# Altium PCB TMS320F28379D_Interfaz_.PcbDoc (part 4 of 5) (continued)
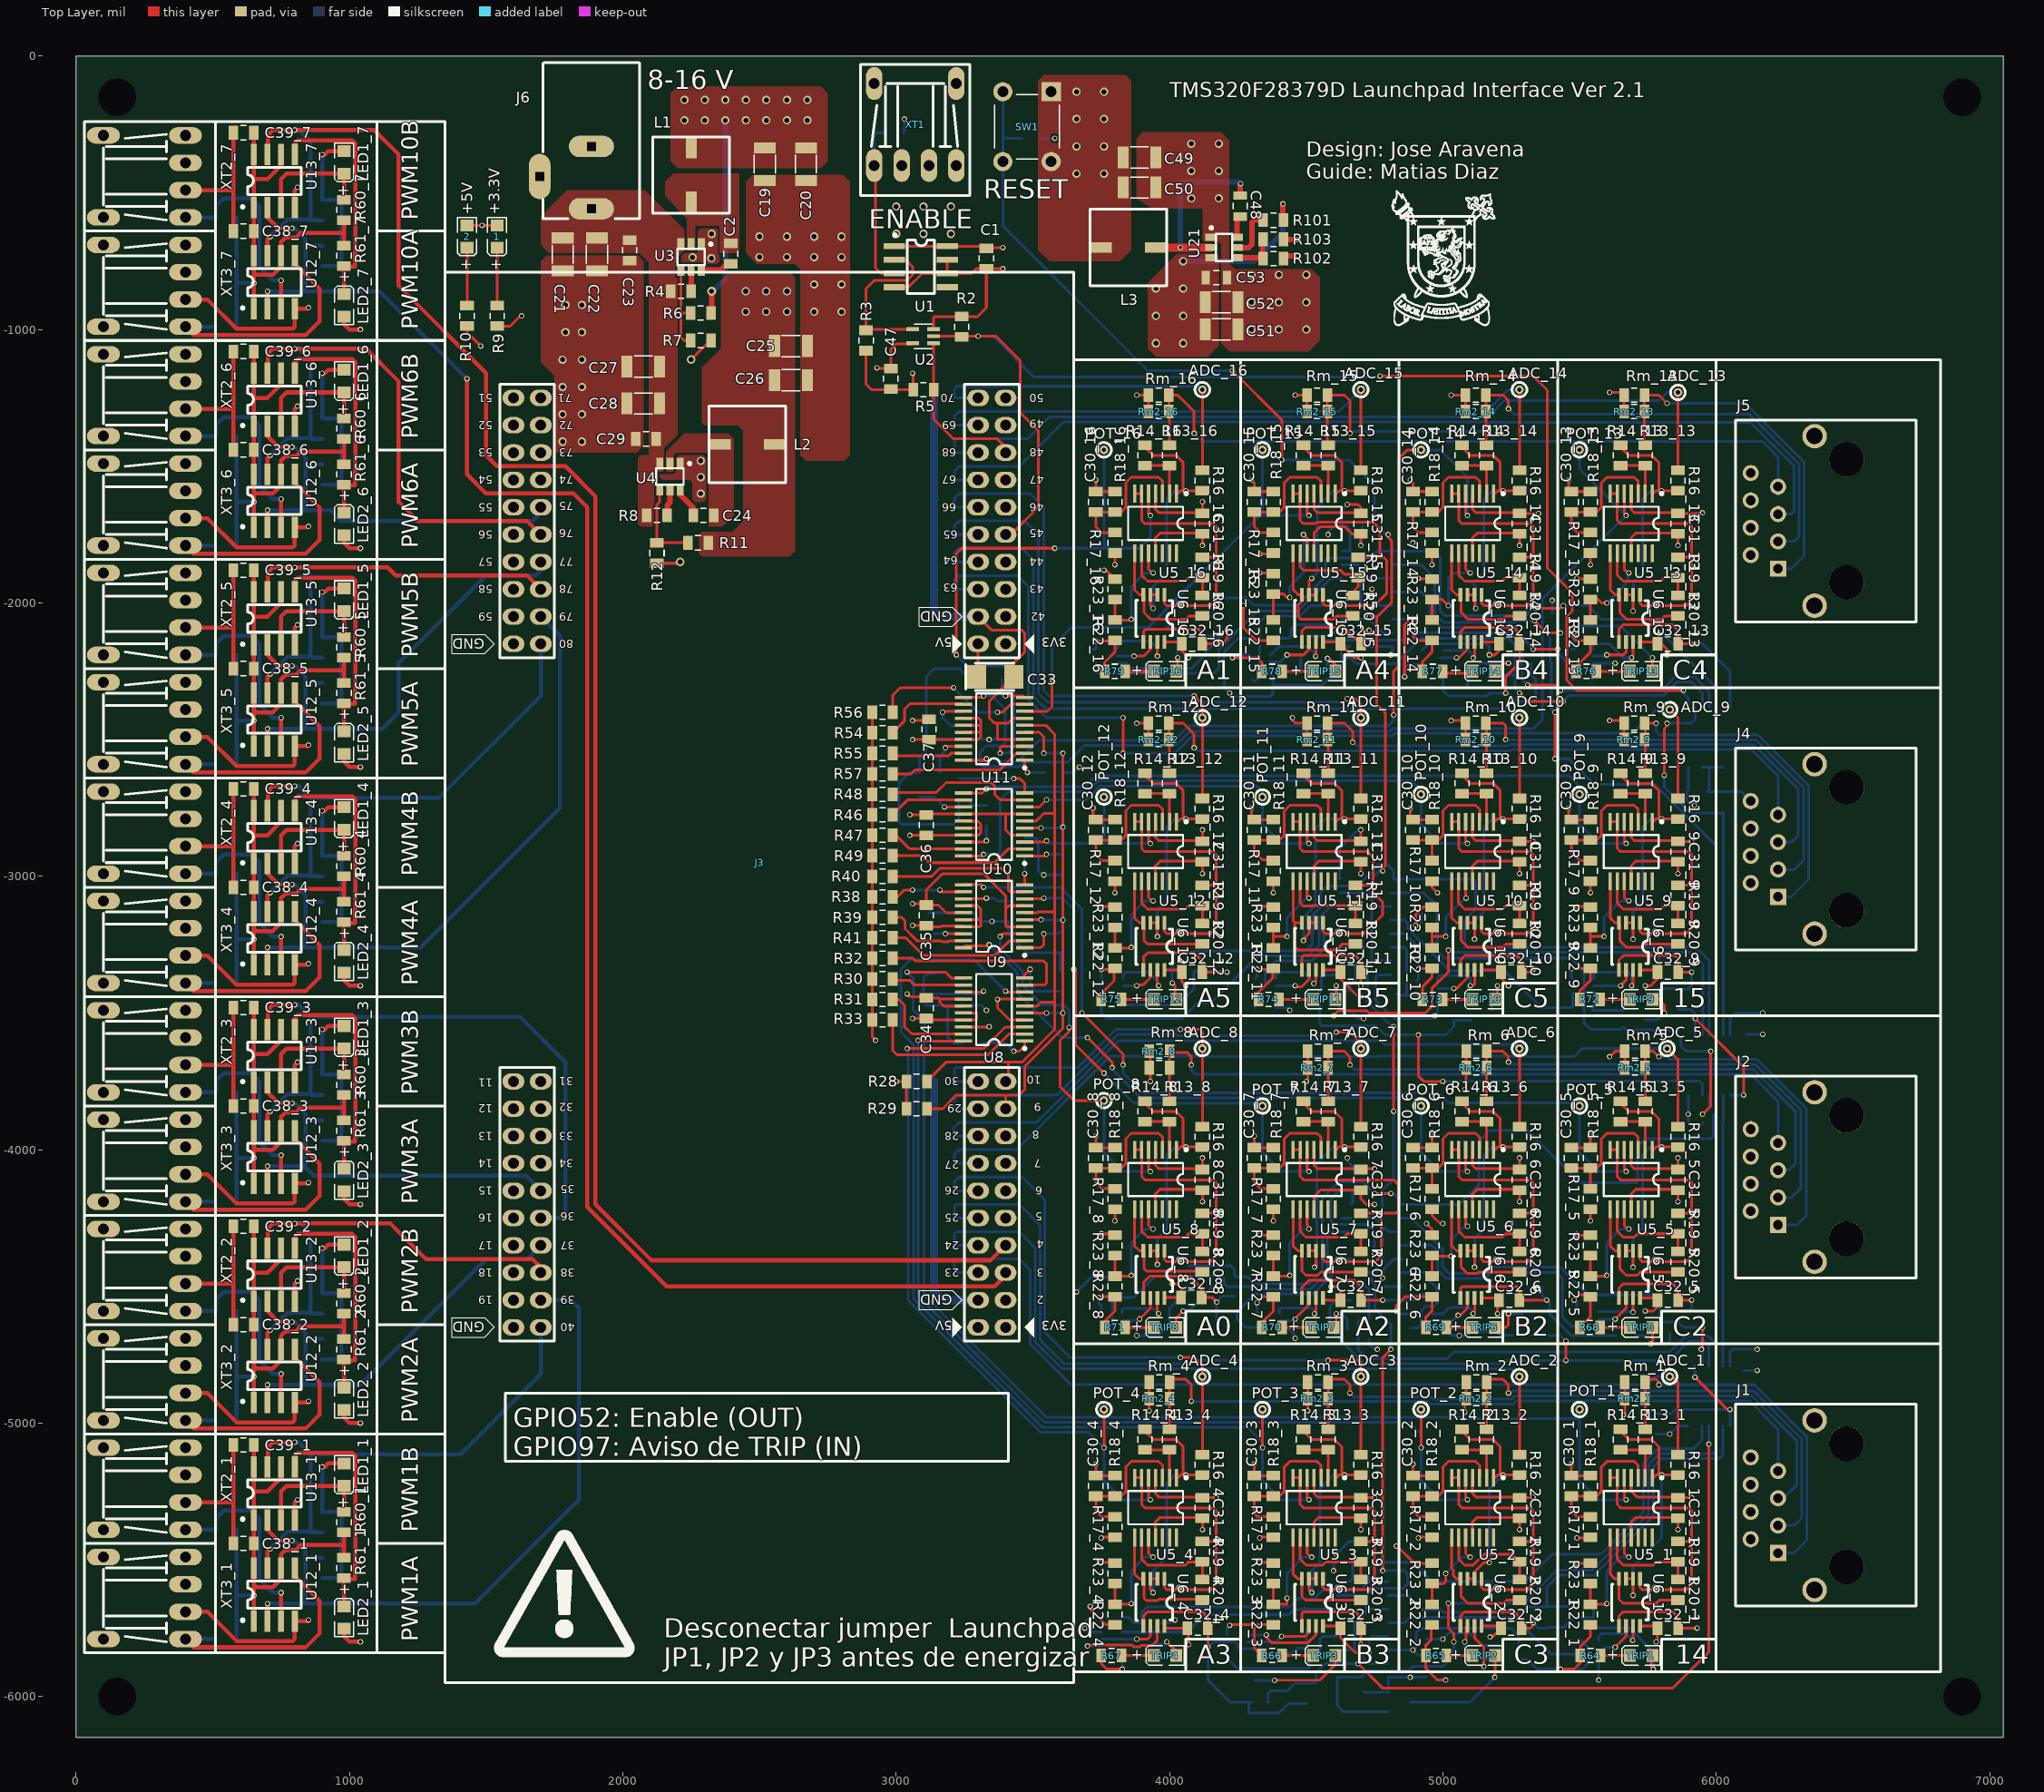
[diagram p0: Top Layer view]
## Nets (pads, with @x,y where several pads share a name; then routed paths per layer and width w, separated by ;. In a path a pad name is that pad's centre, name@x,y a point inside that pad or via, vN(x,y) a via of type N, cw(c..) or ccw(c..) an arc to the next point about the centre after c; other vN are vias at no path point) (continued)
  Bottom Layer w10: v1(5590,-3220) 5590,-3150 5650,-3090 v1(5680,-3090)
NetR22_10_2: R22_10.2 R23_10.2 U5_10.10 | length 363.5
  Top Layer w10: R22_10.2@4960,-3262.6 4960,-3220 ; R23_10.2@4960,-3187.4 4960,-3220 ; v1(5010,-3220) 4960,-3220 ; U5_10.10@5083.23,-3018.5 5083.23,-3076.77 5086.46,-3080 v1(5085,-3080)
  Bottom Layer w10: v1(5010,-3220) 5010,-3150 5080,-3080 v1(5085,-3080)
NetR22_11_2: R22_11.2 R23_11.2 U5_11.10 | length 389.7
  Top Layer w10: R23_11.2@4382.6,-3190 R23_11.2@4380,-3187.4 4380,-3220 ; R22_11.2@4387.4,-3270 R22_11.2@4380,-3262.6 4380,-3220 ; v1(4430,-3220) 4380,-3220 ; U5_11.10@4503.23,-3018.5 4503.23,-3076.77 4510,-3083.54 v1(4510,-3080)
  Bottom Layer w10: v1(4430,-3220) 4430,-3150 4500,-3080 v1(4510,-3080)
NetR22_12_2: R22_12.2 R23_12.2 U5_12.10 | length 441.2
  Top Layer w10: R23_12.2@3802.6,-3190 R23_12.2@3800,-3187.4 R22_12.2@3800,-3262.6 3857.4,-3262.6 v1(3860,-3260) ; U5_12.10@3923.23,-3018.5 3923.23,-3076.77 3936.46,-3090 v1(3940,-3090)
  Bottom Layer w10: v1(3860,-3260) 3860,-3140 3910,-3090 v1(3940,-3090)
NetR22_13_2: R22_13.2 R23_13.2 U5_13.10 | length 364.1
  Top Layer w10: R22_13.2@5540,-2062.6 R23_13.2@5540,-1987.4 5567.4,-1987.4 5580,-2000 v1(5600,-2000) ; U5_13.10@5663.23,-1818.5 5663.23,-1876.77 5676.46,-1890 v1(5680,-1890)
  Bottom Layer w10: v1(5600,-2000) 5677.59,-1922.41 5677.59,-1892.41 v1(5680,-1890)
NetR22_14_2: R22_14.2 R23_14.2 U5_14.10 | length 423.2
  Top Layer w10: R22_14.2@4960,-2070 R22_14.2@4960,-2062.6 R23_14.2@4960,-1987.4 ; R23_14.2@4960,-1985 R23_14.2@4960,-1987.4 ; v1(5020,-2010) 4997.4,-1987.4 R23_14.2@4960,-1987.4 ; U5_14.10@5083.23,-1818.5 5083.23,-1876.77 5096.46,-1890 v1(5100,-1890)
  Bottom Layer w10: v1(5020,-2010) 5020,-1910 5040,-1890 v1(5100,-1890)
NetR22_15_2: R22_15.2 R23_15.2 U5_15.10 | length 465.1
  Top Layer w10: R22_15.2@4380,-2062.6 4380,-1987.4 ; R23_15.2@4380,-1967.4 4417.4,-1967.4 4430,-1980 v1(4440,-1980) ; v1(4490,-1750) 4503.23,-1763.23 U5_15.10@4503.23,-1818.5
  Bottom Layer w10: v1(4440,-1980) 4440,-1940 4490,-1890 v1(4490,-1750)
NetR22_16_2: R22_16.2 R23_16.2 U5_16.10 | length 441.2
  Top Layer w10: R23_16.2@3802.6,-1990 R23_16.2@3800,-1987.4 R22_16.2@3800,-2062.6 3857.4,-2062.6 v1(3860,-2060) ; U5_16.10@3923.23,-1818.5 3923.23,-1876.77 3936.46,-1890 v1(3940,-1890)
  Bottom Layer w10: v1(3860,-2060) 3860,-1940 3910,-1890 v1(3940,-1890)
NetR24_2: R24.2 U8.13 | length 259.9
  Top Layer w10: U8.13@3245.59,-3423.23 3316.77,-3423.23 v1(3320,-3420)
  Bottom Layer w10: R24.2@3140,-3430 3310,-3430 v1(3320,-3420)
NetR25_2: R25.2 U8.1 | length 188.3
  Top Layer w10: v1(3430,-3640) 3450,-3640 3470,-3620 U8.1@3470,-3602.36
  Bottom Layer w10: R25.2@3320,-3610 3400,-3610 v1(3430,-3640)
NetR26_2: R26.2 U8.18 | length 186
  Top Layer w10: U8.18@3245.59,-3551.18 3338.82,-3551.18 v1(3340,-3550)
  Bottom Layer w10: R26.2@3250,-3547.4 3252.6,-3550 v1(3340,-3550)
NetR27_2: R27.2 U8.10 | length 218.6
  Top Layer w10: U8.10@3470,-3372.05 3470,-3360 v1(3490,-3340)
  Bottom Layer w10: v1(3490,-3340) 3490,-3400 3510,-3420 R27.2@3600,-3420
NetR30_1: R30.1 U8.12 | length 267.6
  Top Layer w10: R30.1@2987.4,-3375 2992.4,-3380 3050,-3380 3067.64,-3397.64 U8.12@3245.59,-3397.64
NetR31_1: R31.1 U8.19 | length 357.6
  Top Layer w10: R31.1@2987.4,-3450 3010,-3450 3030,-3470 3030,-3550 3056.77,-3576.77 U8.19@3245.59,-3576.77
NetR32_1: R32.1 U8.9 | length 724
  Top Layer w10: R32.1@2987.4,-3300 3060,-3300 3070,-3310 3540,-3310 3550,-3320 3550,-3390 3542.36,-3397.64 U8.9@3470,-3397.64
NetR33_1: R33.1 U8.2 | length 633
  Top Layer w10: R33.1@2987.4,-3525 2987.4,-3637.4 3003,-3653 3336.6,-3653 3412.83,-3576.77 U8.2@3470,-3576.77
NetR34_2: R34.2 U9.13 | length 169.4
  Top Layer w10: U9.13@3245.59,-3082.05 3327.95,-3082.05 v1(3330,-3080)
  Bottom Layer w10: v1(3330,-3080) 3360,-3080 3370,-3090 R34.2@3410,-3090
NetR35_2: R35.2 U9.1 | length 177.7
  Top Layer w10: U9.1@3470,-3261.18 3528.82,-3261.18 3540,-3250 v1(3540,-3210)
  Bottom Layer w10: v1(3540,-3210) 3592.6,-3210 R35.2@3600,-3202.6
NetR36_2: R36.2 U9.18 | length 105.8
  Top Layer w10: v1(3180,-3210) U9.18@3245.59,-3210
  Bottom Layer w10: R36.2@3140,-3210.5 3140.5,-3210 v1(3180,-3210)
NetR37_2: R37.2 U9.10 | length 96.1
  Top Layer w10: U9.10@3470,-3030.87 v1(3470,-2990)
  Bottom Layer w10: v1(3470,-2990) R37.2@3470,-2934.8
NetR38_1: R38.1 U9.12 | length 271.2
  Top Layer w10: R38.1@2987.4,-3075 3005,-3075 3030,-3050 v1(3060,-3050) ; v1(3160,-3050) 3166.46,-3056.46 U9.12@3245.59,-3056.46
  Bottom Layer w10: v1(3060,-3050) v1(3160,-3050)
NetR39_1: R39.1 U9.19 | length 313.8
  Top Layer w10: R39.1@2987.4,-3150 3020,-3150 3032,-3162 3032,-3191.6 3075.99,-3235.59 3164.58,-3235.59 3167.99,-3239 3192.01,-3239 3195.42,-3235.59 U9.19@3245.59,-3235.59
NetR40_1: R40.1 U9.9 | length 563.3
  Top Layer w10: R40.1@2987.4,-3000 3130,-3000 3160,-2970 3385.46,-2970 3410,-2994.54 3410,-3050 3416.46,-3056.46 U9.9@3470,-3056.46
NetR41_1: R41.1 U9.2 | length 532.1
  Top Layer w10: R41.1@2987.4,-3225 3035,-3225 3100,-3290 3360,-3290 3414.41,-3235.59 U9.2@3470,-3235.59
NetR42_2: R42.2 U10.13 | length 175.9
  Top Layer w10: v1(3176.46,-2746.46) U10.13@3245.59,-2746.46
  Bottom Layer w10: R42.2@3084.8,-2710 3140,-2710 v1(3176.46,-2746.46)
NetR43_2: R43.2 U10.1 | length 132.3
  Top Layer w10: U10.1@3470,-2925.59 3544.41,-2925.59 v1(3550,-2920)
  Bottom Layer w10: v1(3550,-2920) R43.2@3600,-2920
NetR44_2: R44.2 U10.18 | length 141.4
  Top Layer w10: U10.18@3245.59,-2874.41 3325.59,-2874.41 v1(3330,-2870)
  Bottom Layer w10: v1(3330,-2870) R44.2@3330,-2814.8
NetR45_2: R45.2 U10.10 | length 282.5
  Top Layer w10: v1(3430,-2642.6) 3452.6,-2642.6 3470,-2660 U10.10@3470,-2695.28
  Bottom Layer w10: R45.2@3230,-2642.6 v1(3430,-2642.6)
NetR46_1: R46.1 U10.12 | length 280.6
  Top Layer w10: R46.1@2987.4,-2775 3041.54,-2720.87 U10.12@3245.59,-2720.87
NetR47_1: R47.1 U10.19 | length 278.9
  Top Layer w10: R47.1@2987.4,-2850 3000,-2850 3050,-2900 U10.19@3245.59,-2900
NetR48_1: R48.1 U10.9 | length 544.4
  Top Layer w10: R48.1@2987.4,-2700 2994.4,-2693 3147,-2693 3183,-2657 3347,-2657 3360,-2670 3360,-2700 3380.87,-2720.87 U10.9@3470,-2720.87
NetR49_1: R49.1 U10.2 | length 513.7
  Top Layer w10: R49.1@2987.4,-2925 3095,-2925 3120,-2950 3360,-2950 3410,-2900 U10.2@3470,-2900
NetR50_2: R50.2 U11.13 | length 232.1
  Top Layer w10: v1(3170,-2400) 3173.54,-2396.46 U11.13@3245.59,-2396.46
  Bottom Layer w10: v1(3170,-2400) 3170,-2420 3200,-2450 R50.2@3292.6,-2450
NetR51_2: R51.2 U11.1 | length 111.1
  Top Layer w10: U11.1@3470,-2575.59 3470,-2610 v1(3480,-2620)
  Bottom Layer w10: v1(3480,-2620) R51.2@3542.6,-2620
NetR52_2: R52.2 U11.18 | length 166.2
  Top Layer w10: v1(3180,-2530) 3185.59,-2524.41 U11.18@3245.59,-2524.41
  Bottom Layer w10: R52.2@3160,-2620 3160,-2560 3180,-2540 v1(3180,-2530)
NetR53_2: R53.2 U11.10 | length 143.3
  Top Layer w10: v1(3400,-2340) 3464.72,-2340 U11.10@3470,-2345.28
  Bottom Layer w10: R53.2@3387.4,-2280 3387.4,-2337.4 3390,-2340 v1(3400,-2340)
NetR54_1: R54.1 U11.12 | length 328.5
  Top Layer w10: R54.1@2987.4,-2475 3030,-2432.4 3030,-2390 3052,-2368 3242.72,-2368 U11.12@3245.59,-2370.87
NetR55_1: R55.1 U11.19 | length 265.6
  Top Layer w10: R55.1@2987.4,-2550 2996.4,-2559 3192.01,-2559 3201.01,-2550 U11.19@3245.59,-2550
NetR56_1: R56.1 U11.9 | length 606.5
  Top Layer w10: R56.1@2987.4,-2400 2987.4,-2337.6 3015,-2310 v1(3210,-2310) ; v1(3370,-2400) 3390,-2400 3420,-2370 3469.13,-2370 U11.9@3470,-2370.87
  Bottom Layer w10: v1(3210,-2310) 3300,-2400 v1(3370,-2400)
NetR57_1: R57.1 U11.2 | length 513.8
  Top Layer w10: R57.1@2987.4,-2625 3055,-2625 3070,-2610 3380,-2610 3425.5,-2564.5 3425.5,-2564.3 3439.8,-2550 U11.2@3470,-2550
NetR58_1_1: R58_1.1 U12_1.3 XT2_1.1 | length 761.1
  Top Layer w15: U12_1.3@750,-5724 v1(750,-5620)
  Bottom Layer w15: XT2_1.1@400,-5390 R58_1.1@512.6,-5390 512.6,-5347.4 540,-5320 640,-5320 670,-5350 670,-5570 720,-5620 v1(750,-5620)
NetR58_2_1: R58_2.1 U12_2.3 XT2_2.1 | length 761.1
  Top Layer w15: U12_2.3@750,-4924 v1(750,-4820)
  Bottom Layer w15: XT2_2.1@400,-4590 R58_2.1@512.6,-4590 512.6,-4547.4 540,-4520 640,-4520 670,-4550 670,-4770 720,-4820 v1(750,-4820)
NetR58_3_1: R58_3.1 U12_3.3 XT2_3.1 | length 761.1
  Top Layer w15: U12_3.3@750,-4124 v1(750,-4020)
  Bottom Layer w15: XT2_3.1@400,-3790 R58_3.1@512.6,-3790 512.6,-3747.4 540,-3720 640,-3720 670,-3750 670,-3970 720,-4020 v1(750,-4020)
NetR58_4_1: R58_4.1 U12_4.3 XT2_4.1 | length 761.1
  Top Layer w15: U12_4.3@750,-3324 v1(750,-3220)
  Bottom Layer w15: XT2_4.1@400,-2990 R58_4.1@512.6,-2990 512.6,-2947.4 540,-2920 640,-2920 670,-2950 670,-3170 720,-3220 v1(750,-3220)
NetR58_5_1: R58_5.1 U12_5.3 XT2_5.1 | length 761.1
  Top Layer w15: U12_5.3@750,-2524 v1(750,-2420)
  Bottom Layer w15: XT2_5.1@400,-2190 R58_5.1@512.6,-2190 512.6,-2147.4 540,-2120 640,-2120 670,-2150 670,-2370 720,-2420 v1(750,-2420)
NetR58_6_1: R58_6.1 U12_6.3 XT2_6.1 | length 761.1
  Top Layer w15: U12_6.3@750,-1724 v1(750,-1620)
  Bottom Layer w15: XT2_6.1@400,-1390 R58_6.1@512.6,-1390 512.6,-1347.4 540,-1320 640,-1320 670,-1350 670,-1570 720,-1620 v1(750,-1620)
NetR58_7_1: R58_7.1 U12_7.3 XT2_7.1 | length 761.1
  Top Layer w15: U12_7.3@750,-924 v1(750,-820)
  Bottom Layer w15: XT2_7.1@400,-590 R58_7.1@512.6,-590 512.6,-547.4 540,-520 640,-520 670,-550 670,-770 720,-820 v1(750,-820)
NetR59_1_1: R59_1.1 U12_1.5 XT3_1.1 | length 914.3
  Top Layer w15: XT3_1.1@400,-5790 430,-5820 840,-5820 890,-5770 890,-5650 800,-5560 U12_1.5@800,-5530
  Bottom Layer w10: R59_1.1@509.6,-5790 R59_1.1@512.6,-5793
  Bottom Layer w15: XT3_1.1@400,-5790 R59_1.1@509.6,-5790
NetR59_2_1: R59_2.1 U12_2.5 XT3_2.1 | length 914.3
  Top Layer w15: XT3_2.1@400,-4990 430,-5020 840,-5020 890,-4970 890,-4850 800,-4760 U12_2.5@800,-4730
  Bottom Layer w10: R59_2.1@509.6,-4990 R59_2.1@512.6,-4993
  Bottom Layer w15: XT3_2.1@400,-4990 R59_2.1@509.6,-4990
NetR59_3_1: R59_3.1 U12_3.5 XT3_3.1 | length 914.3
  Top Layer w15: XT3_3.1@400,-4190 430,-4220 840,-4220 890,-4170 890,-4050 800,-3960 U12_3.5@800,-3930
  Bottom Layer w10: R59_3.1@509.6,-4190 R59_3.1@512.6,-4193
  Bottom Layer w15: XT3_3.1@400,-4190 R59_3.1@509.6,-4190
NetR59_4_1: R59_4.1 U12_4.5 XT3_4.1 | length 914.3
  Top Layer w15: XT3_4.1@400,-3390 430,-3420 840,-3420 890,-3370 890,-3250 800,-3160 U12_4.5@800,-3130
  Bottom Layer w10: R59_4.1@509.6,-3390 R59_4.1@512.6,-3393
  Bottom Layer w15: XT3_4.1@400,-3390 R59_4.1@509.6,-3390
NetR59_5_1: R59_5.1 U12_5.5 XT3_5.1 | length 914.3
  Top Layer w15: XT3_5.1@400,-2590 430,-2620 840,-2620 890,-2570 890,-2450 800,-2360 U12_5.5@800,-2330
  Bottom Layer w10: R59_5.1@509.6,-2590 R59_5.1@512.6,-2593
  Bottom Layer w15: XT3_5.1@400,-2590 R59_5.1@509.6,-2590
NetR59_6_1: R59_6.1 U12_6.5 XT3_6.1 | length 914.3
  Top Layer w15: XT3_6.1@400,-1790 430,-1820 840,-1820 890,-1770 890,-1650 800,-1560 U12_6.5@800,-1530
  Bottom Layer w10: R59_6.1@509.6,-1790 R59_6.1@512.6,-1793
  Bottom Layer w15: XT3_6.1@400,-1790 R59_6.1@509.6,-1790
NetR59_7_1: R59_7.1 U12_7.5 XT3_7.1 | length 914.3
  Top Layer w15: XT3_7.1@400,-990 430,-1020 840,-1020 890,-970 890,-850 800,-760 U12_7.5@800,-730
  Bottom Layer w10: R59_7.1@509.6,-990 R59_7.1@512.6,-993
  Bottom Layer w15: XT3_7.1@400,-990 R59_7.1@509.6,-990
NetR64_1: R64.1 TRIP1.2 | length 101.3
  Top Layer w10: R64.1@5577.4,-5850 TRIP1.2@5678.66,-5850
NetR65_1: R65.1 TRIP2.2 | length 96.3
  Top Layer w10: R65.1@5012.4,-5850 TRIP2.2@5108.66,-5850
NetR66_1: R66.1 TRIP3.2 | length 112.6
  Top Layer w10: R66.1@4412.4,-5850 TRIP3.2@4525,-5850
NetR67_1: R67.1 TRIP4.2 | length 117.5
  Top Layer w10: R67.1@3824.8,-5850 TRIP4.2@3942.32,-5850
NetR68_1: R68.1 TRIP5.2 | length 108.9
  Top Layer w10: R68.1@5574.8,-4650 TRIP5.2@5683.66,-4650
NetR69_1: R69.1 TRIP6.2 | length 96.3
  Top Layer w10: R69.1@5012.4,-4650 TRIP6.2@5108.66,-4650
NetR70_1: R70.1 TRIP7.2 | length 104.9
  Top Layer w10: R70.1@4412.4,-4650 TRIP7.2@4517.32,-4650
NetR71_1: R71.1 TRIP8.2 | length 104.9
  Top Layer w10: R71.1@3837.4,-4650 TRIP8.2@3942.32,-4650
NetR72_1: R72.1 TRIP9.2 | length 108.7
  Top Layer w10: R72.1@5575,-3450 TRIP9.2@5683.66,-3450
NetR73_1: R73.1 TRIP10.2 | length 108.9
  Top Layer w10: R73.1@4999.8,-3450 TRIP10.2@5108.66,-3450
NetR74_1: R74.1 TRIP11.2 | length 125
  Top Layer w10: R74.1@4400,-3450 TRIP11.2@4525,-3450
NetR75_1: R75.1 TRIP12.2 | length 117.3
  Top Layer w10: R75.1@3825,-3450 TRIP12.2@3942.32,-3450
NetR76_1: R76.1 TRIP13.2 | length 121.3
  Top Layer w10: R76.1@5562.4,-2250 TRIP13.2@5683.66,-2250
NetR77_1: R77.1 TRIP14.2 | length 115.3
  Top Layer w10: R77.1@5000,-2250 5008,-2258 5100.66,-2258 TRIP14.2@5108.66,-2250
NetR78_1: R78.1 TRIP15.2 | length 112.6
  Top Layer w10: R78.1@4412.4,-2250 TRIP15.2@4525,-2250
NetR79_1: R79.1 TRIP16.2 | length 104.9
  Top Layer w15: R79.1@3837.4,-2250 TRIP16.2@3942.32,-2250
NetR80_1: R80.1 U14.1 U14.9 | length 553.7
  Top Layer w10: v1(5922.05,-4832.05) 6040,-4950 v1(6050,-4950)
  Bottom Layer w10: R80.1@5780,-4965.2 5834.8,-4965.2 5850,-4950 v1(6050,-4950) U14.1@6050,-5010 ; v1(5922.05,-4832.05) U14.9@5922.05,-4791.5
NetR81_1: R81.1 U14.13 U16.2 | length 992
  Bottom Layer w10: U14.13@6024.41,-4791.5 R81.1@6024.41,-3920 6024.41,-3899.37 6025.59,-3898.19 U16.2@6025.59,-3800
NetR86_1: R86.1 U16.1 U16.9 | length 551.8
  Top Layer w10: v1(5923.23,-3520) 6100,-3696.77 v1(6100,-3800)
  Bottom Layer w10: R86.1@5860,-3487.4 R86.1@5870,-3487.4 5907.4,-3487.4 5923.23,-3503.23 v1(5923.23,-3520) U16.9@5923.23,-3581.5 ; U16.1@6050,-3798.82 U16.1@6051.18,-3800 v1(6100,-3800)
NetR90_1: R90.1 U16.13 U19.2 | length 1455.1
  Top Layer w10: v1(5810,-2630) 5810,-2460 5820,-2450 v1(5820,-2440)
  Bottom Layer w10: v1(5810,-2630) 5810,-2673.53 5904.47,-2768 6019.4,-2768 R90.1@6020,-2767.4 ; v1(5820,-2440) 5910,-2440 5923.23,-2426.77 U19.2@5923.23,-2381.5 ; U16.13@6025.59,-3581.5 R90.1@6025.59,-2767.4
NetR100_2: R100.2 SW1.3 SW1.4 U15.3 U15.7 U15.11 U15.15 U17.3 U17.7 U17.11 U17.15 U18.3 U18.7 U18.11 U18.15 U20.3 U20.7 U20.11 U20.15 | length 8913.4
  Top Layer w10: v1(4230,-1150) 4410.47,-1330.47 v1(4410.47,-1477) ; v1(4730,-2050) 4758,-2050 ; v1(4780,-5540) 4780,-4760 v1(4810,-4730) ; v1(4780,-2980) 4780,-2970 4790,-2960 4790,-2402.53 4758,-2370.53 4758,-2050 ; v1(4800,-1750) 4800,-1760 4812,-1772 4812,-1998 4760,-2050 4758,-2050 ; v1(4820,-3860) v1(4820,-3550)
  Bottom Layer w10: SW1.3@3390,-130 3400,-140 3390,-150 3390,-290 ; R100.2@3460,-300 3400,-300 3390,-290 ; v1(4230,-1150) 3920,-1150 3390,-620 SW1.4@3390,-385.91 3390,-290 ; v1@4407.47,-1480 v1(4410.47,-1477) 4657,-1477 4750,-1570 4750,-1710 4790,-1750 v1(4800,-1750) ; U15.11@4614,-5830 4680,-5830 ; U15.15@4614,-5630 4720,-5630 ; U18.11@4624,-3260 4740,-3260 ; U18.15@4624,-3060 4740,-3060 ; U17.15@4630,-4250 U17.15@4664,-4250 ; U20.11@4630,-2060 4720,-2060 v1(4730,-2050) ; U20.15@4630,-1860 4690,-1860 4700,-1870 4700,-1910 ; U17.11@4644,-4450 U17.11@4664,-4450 4740,-4450 ; U17.15@4683.19,-4246.81 4746.81,-4246.81 ; v1(4780,-5540) 4858,-5540 4859,-5539 4870,-5550 4870,-5590 4856,-5604 4746,-5604 4720,-5630 ; v1(4780,-2980) 4767.62,-2980 4741,-3006.62 4741,-3059 4740,-3060 ; U15.7@4800,-5880 4730,-5880 4680,-5830 ; U15.3@4800,-5680 4730,-5680 4720,-5690 ; v1(4810,-4730) 4810,-4640 4752,-4582 4752,-4500 ; U18.7@4810,-3310 4736,-3310 ; U18.3@4810,-3110 v1(4740,-3110) ; U20.7@4816,-2110 4780,-2110 4730,-2060 v1(4730,-2050) ; U20.3@4816,-1910 4700,-1910 ; v1(4820,-3860) 4820,-4106.4 4778,-4148.4 4778,-4222 4753.19,-4246.81 4746.81,-4246.81 ; v1(4820,-3550) 4814.31,-3550 4723,-3458.69 4723,-3323 4736,-3310 ; U17.3@4830,-4300 4800,-4300 4780,-4280 ; U17.7@4850,-4500 4752,-4500 ; 4680,-5830 4677,-5827 4677,-5733 4720,-5690 ; 4700,-1910 4700,-2010 4730,-2040 v1(4730,-2050) ; 4720,-5690 4720,-5630 ; 4736,-3310 4740,-3306 4740,-3260 ; 4740,-4450 4780,-4410 4780,-4280 ; 4740,-4450 4740,-4480 4752,-4492 4752,-4500 ; 4740,-3260 v1(4740,-3110) ; v1(4740,-3110) 4740,-3060 ; 4746.81,-4246.81 4780,-4280
NetR101_1: R101.1 U21.5 | length 183.6
  Top Layer w20: U21.5@4247.24,-700 4290,-700 4301,-689 4301,-609 4310,-600 R101.1@4342.6,-600
NetR102_1: R102.1 R103.2 U21.4 | length 155.8
  Top Layer w20: U21.4@4247.24,-737.4 4332.6,-737.4 4340,-730 R103.2@4340,-670
NetU6_1_6: U6_1.6 U7_1.2 | length 134.6
  Top Layer w10: v1(5630,-5820) 5666.41,-5783.59 5666.41,-5782.81 5670,-5779.22 U6_1.6@5670,-5742
  Bottom Layer w10: U7_1.2@5590,-5820 v1(5630,-5820)
NetU6_1_7: U6_1.7 U7_1.1 | length 206
  Top Layer w10: v1(5694.41,-5794.41) 5695.59,-5793.23 U6_1.7@5695.59,-5742
  Bottom Layer w10: U7_1.1@5570,-5794.41 5570,-5780 5580,-5770 5670,-5770 v1(5694.41,-5794.41)
NetU6_2_6: U6_2.6 U7_2.2 | length 210.4
  Top Layer w10: v1(5080,-5800) 5084.41,-5795.59 5084.41,-5747.59 U6_2.6@5090,-5742
  Bottom Layer w10: v1(5080,-5800) 5080,-5820 5100,-5840 U7_2.2@5200,-5840
NetU6_2_7: U6_2.7 U7_2.1 | length 234.1
  Top Layer w10: U6_2.7@5115.59,-5742 5115.59,-5785.59 5150,-5820 v1(5150,-5890)
  Bottom Layer w10: v1(5150,-5890) 5150,-5870 5154.41,-5865.59 U7_2.1@5200,-5865.59
NetU6_3_6: U6_3.6 U7_3.2 | length 261.5
  Top Layer w10: v1(4410,-5780) 4496.79,-5780 4510,-5766.79 U6_3.6@4510,-5742
  Bottom Layer w10: U7_3.2@4287,-5800 4390,-5800 v1(4410,-5780)
NetU6_3_7: U6_3.7 U7_3.1 | length 310.5
  Top Layer w10: v1(4354.41,-5774.41) 4354.41,-5784.41 4373,-5803 4507,-5803 4535.59,-5774.41 U6_3.7@4535.59,-5742
  Bottom Layer w10: U7_3.1@4287,-5774.41 v1(4354.41,-5774.41)
NetU6_4_6: U6_4.6 U7_4.2 | length 222.1
  Top Layer w10: v1(3880,-5790) 3920,-5790 3930,-5780 U6_4.6@3930,-5742
  Bottom Layer w10: U7_4.2@3750,-5790 v1(3880,-5790)
NetU6_4_7: U6_4.7 U7_4.1 | length 371.7
  Top Layer w10: v1(3700,-5815.59) 3703.59,-5812 3862.4,-5812 3868.4,-5818 3891.6,-5818 3896.22,-5813.38 3936.62,-5813.38 3955.59,-5794.41 U6_4.7@3955.59,-5742
  Bottom Layer w10: v1(3700,-5815.59) U7_4.1@3750,-5815.59
NetU6_5_6: U6_5.6 U7_5.2 | length 154.6
  Top Layer w10: v1(5630,-4620) 5670,-4580 U6_5.6@5670,-4542
  Bottom Layer w10: U7_5.2@5570,-4620 v1(5630,-4620)
NetU6_5_7: U6_5.7 U7_5.1 | length 180
  Top Layer w10: v1(5695.59,-4594.41) U6_5.7@5695.59,-4542
  Bottom Layer w10: U7_5.1@5570,-4594.41 5572.41,-4592 5693.18,-4592 v1(5695.59,-4594.41)
NetU6_6_6: U6_6.6 U7_6.2 | length 186.4
  Top Layer w10: v1(5055.59,-4605.59) 5064.41,-4605.59 5090,-4580 U6_6.6@5090,-4542
  Bottom Layer w10: U7_6.2@4960,-4624.41 5036.77,-4624.41 v1(5055.59,-4605.59)
NetU6_6_7: U6_6.7 U7_6.1 | length 234.7
  Top Layer w10: v1(5110,-4600) 5115.59,-4594.41 U6_6.7@5115.59,-4542
  Bottom Layer w10: U7_6.1@4960,-4600 5000,-4600 5022.41,-4577.59 5097.59,-4577.59 5110,-4590 v1(5110,-4600)
NetU6_7_6: U6_7.6 U7_7.2 | length 158.5
  Top Layer w10: v1(4460,-4620) 4460,-4616.79 4510,-4566.79 U6_7.6@4510,-4542
  Bottom Layer w10: U7_7.2@4402,-4624.41 4455.59,-4624.41 v1(4460,-4620)
NetU6_7_7: U6_7.7 U7_7.1 | length 226.5
  Top Layer w10: v1(4530,-4600) 4530,-4601.18 4535.59,-4595.59 U6_7.7@4535.59,-4542
  Bottom Layer w10: U7_7.1@4402,-4598.82 4402,-4578 4518,-4578 4530,-4590 v1(4530,-4600)
NetU6_8_6: U6_8.6 U7_8.2 | length 169.4
  Top Layer w10: 3890,-4610 v1(3890,-4620) 3930,-4580 U6_8.6@3930,-4542
  Bottom Layer w10: U7_8.2@3827,-4624.41 3885.59,-4624.41 v1(3890,-4620)
NetU6_8_7: U6_8.7 U7_8.1 | length 218.2
  Top Layer w10: U6_8.7@3955.59,-4542 3955.59,-4595.59 v1(3960,-4600)
  Bottom Layer w10: U7_8.1@3827,-4598.82 3827,-4583 3830,-4580 3940,-4580 v1(3960,-4600)
NetU6_9_6: U6_9.6 U7_9.2 | length 164.5
  Top Layer w10: v1(5650,-3400) 5670,-3380 U6_9.6@5670,-3342
  Bottom Layer w10: U7_9.2@5552,-3400.59 5649.41,-3400.59 v1(5650,-3400)
NetU6_9_7: U6_9.7 U7_9.1 | length 262.8
  Top Layer w10: v1(5690,-3400) 5695.59,-3394.41 U6_9.7@5695.59,-3342
  Bottom Layer w10: U7_9.1@5552,-3375 5552,-3358 5560,-3350 5680,-3350 5690,-3360 v1(5690,-3400)
NetU6_10_6: U6_10.6 U7_10.2 | length 154.8
  Top Layer w10: v1(5040,-3410) 5050.4,-3410 5090,-3370.4 U6_10.6@5090,-3342
  Bottom Layer w10: U7_10.2@4980,-3410 v1(5040,-3410)
NetU6_10_7: U6_10.7 U7_10.1 | length 238.2
  Top Layer w10: v1(5100,-3400) 5110,-3400 5115.59,-3394.41 5115.59,-3380 ; 5115.59,-3378.13 U6_10.7@5115.59,-3342
  Bottom Layer w10: U7_10.1@4980,-3384.41 4980,-3370.82 4987.82,-3363 5093,-3363 5100,-3370 v1(5100,-3400)
NetU6_11_6: U6_11.6 U7_11.2 | length 169.3
  Top Layer w10: v1(4460,-3400) 4460,-3403.21 4484.27,-3403.21 4510,-3377.47 U6_11.6@4510,-3342
  Bottom Layer w10: U7_11.2@4390,-3400 v1(4460,-3400)
NetU6_11_7: U6_11.7 U7_11.1 | length 229.8
  Top Layer w10: v1(4527.8,-3392.2) 4535.59,-3384.41 U6_11.7@4535.59,-3342
  Bottom Layer w10: U7_11.1@4390,-3374.41 4390,-3360 4400,-3350 4490,-3350 4527.8,-3387.8 v1(4527.8,-3392.2)
NetU6_12_6: U6_12.6 U7_12.2 | length 140.7
  Top Layer w10: v1(3880,-3400) 3882,-3398 3902.4,-3398 3930,-3370.4 U6_12.6@3930,-3342
  Bottom Layer w10: U7_12.2@3830,-3400 v1(3880,-3400)
NetU6_12_7: U6_12.7 U7_12.1 | length 235.6
  Top Layer w10: U6_12.7@3955.59,-3342 3955.59,-3395.59 v1(3960,-3400)
  Bottom Layer w10: U7_12.1@3830,-3374.41 3830,-3360 3840,-3350 3921.18,-3350 3960,-3388.82 v1(3960,-3400)
NetU6_13_6: U6_13.6 U7_13.2 | length 167
  Top Layer w10: v1(5600,-2190) 5660,-2190 5670,-2180 U6_13.6@5670,-2142
  Bottom Layer w10: U7_13.2@5547,-2194.41 5595.59,-2194.41 v1(5600,-2190)
NetU6_13_7: U6_13.7 U7_13.1 | length 242.8
  Top Layer w10: v1(5690,-2200) 5695.59,-2194.41 U6_13.7@5695.59,-2142
  Bottom Layer w10: U7_13.1@5547,-2168.82 5547,-2150 5610,-2150 5660,-2200 v1(5690,-2200)
NetU6_14_6: U6_14.6 U7_14.2 | length 140.4
  Top Layer w10: v1(5050,-2200) 5060,-2200 5090,-2170 U6_14.6@5090,-2142
  Bottom Layer w10: U7_14.2@4990,-2200 U7_14.2@5000,-2200 v1(5050,-2200)
NetU6_14_7: U6_14.7 U7_14.1 | length 188.8
  Top Layer w10: v1(5111.01,-2201.01) 5111.01,-2198.99 5115.59,-2194.41 U6_14.7@5115.59,-2142
  Bottom Layer w10: U7_14.1@5000,-2174.41 5094.41,-2174.41 5111.01,-2191.01 v1(5111.01,-2201.01)
NetU6_15_6: U6_15.6 U7_15.2 | length 191.1
  Top Layer w10: v1(4430,-2190) 4490,-2190 4510,-2170 U6_15.6@4510,-2142
  Bottom Layer w10: U7_15.2@4367,-2215.59 4406.41,-2215.59 4430,-2192 v1(4430,-2190)
NetU6_15_7: U6_15.7 U7_15.1 | length 253.4
  Top Layer w10: v1(4534.41,-2195.59) 4535.59,-2195.59 U6_15.7@4535.59,-2142
  Bottom Layer w10: U7_15.1@4367,-2190 4370,-2190 4400,-2160 4505.72,-2160 4534.41,-2188.69 v1(4534.41,-2195.59)
NetU6_16_6: U6_16.6 U7_16.2 | length 161.3
  Top Layer w10: v1(3870,-2194.41) 3905.99,-2194.41 3930,-2170.4 U6_16.6@3930,-2142
  Bottom Layer w10: U7_16.2@3807,-2194.41 v1(3870,-2194.41)
NetU6_16_7: U6_16.7 U7_16.1 | length 267.9
  Top Layer w10: v1@3951.18,-2190 v1(3955.59,-2194.41) U6_16.7@3955.59,-2142
  Bottom Layer w10: U7_16.1@3807,-2168.82 3810,-2165.82 3810,-2150 3820,-2140 3930,-2140 3955.59,-2165.59 v1(3955.59,-2194.41)
PWMA_1: J3.40 R62_1.2 U12_1.7 U13_1.7 | length 1938.4
  Top Layer w15: U12_1.7@700,-5530 700,-5470 v1(710,-5460) ; U13_1.7@701,-5135 701,-5089 720,-5070 v1(800,-5070)
  Bottom Layer w15: v1(710,-5460) 773.5,-5396.5 856.5,-5396.5 857.5,-5397.5 ; v1(800,-5070) 814,-5070 857.5,-5113.5 ; R62_1.2@900,-5400 860,-5400 857.5,-5397.5 ; J3.40@1700,-4650 1700,-4820 1406.5,-5113.5 857.5,-5113.5 ; 857.5,-5397.5 857.5,-5113.5
PWMA_2: J3.38 R62_2.2 U12_2.7 U13_2.7 | length 1795.8
  Top Layer w15: U12_2.7@700,-4730 700,-4670 v1(710,-4660) ; U13_2.7@701,-4335 701,-4289 720,-4270 v1(800,-4270) 1150,-4270 1280,-4400 1670,-4400 1700,-4430 J3.38@1700,-4450
  Bottom Layer w15: v1(710,-4660) 773.5,-4596.5 856.5,-4596.5 857.5,-4597.5 ; v1(800,-4270) 823,-4270 857.5,-4304.5 857.5,-4597.5 ; R62_2.2@900,-4600 860,-4600 857.5,-4597.5
PWMA_3: J3.36 R62_3.2 U12_3.7 U13_3.7 | length 2454
  Top Layer w15: U12_3.7@700,-3930 700,-3870 v1(710,-3860) ; U13_3.7@701,-3535 701,-3489 720,-3470 v1(800,-3470)
  Bottom Layer w15: v1(710,-3860) 773.5,-3796.5 856.5,-3796.5 857.5,-3797.5 ; v1(800,-3470) 814,-3470 857.5,-3513.5 ; R62_3.2@900,-3800 860,-3800 857.5,-3797.5 ; J3.36@1700,-4250 1770,-4250 1790,-4230 1790,-3680 1623.5,-3513.5 857.5,-3513.5 ; 857.5,-3797.5 857.5,-3513.5
PWMA_4: J3.80 R62_4.2 U12_4.7 U13_4.7 | length 1991.5
  Top Layer w15: U12_4.7@700,-3130 700,-3070 v1(710,-3060) ; U13_4.7@701,-2735 701,-2689 720,-2670 v1(800,-2670)
  Bottom Layer w15: v1(710,-3060) 773.5,-2996.5 856.5,-2996.5 857.5,-2997.5 ; v1(800,-2670) 814,-2670 857.5,-2713.5 ; R62_4.2@900,-3000 860,-3000 857.5,-2997.5 ; J3.80@1700,-2150 1700,-2340 1326.5,-2713.5 857.5,-2713.5 ; 857.5,-2997.5 857.5,-2713.5
PWMA_5: J3.78 R62_5.2 U12_5.7 U13_5.7 | length 1740.8
  Top Layer w15: U12_5.7@700,-2330 700,-2270 v1(710,-2260) ; U13_5.7@701,-1935 701,-1889 720,-1870 v1(800,-1870) 1140,-1870 1170,-1900 1650,-1900 J3.78@1700,-1950
  Bottom Layer w15: v1(710,-2260) 773.5,-2196.5 856.5,-2196.5 857.5,-2197.5 ; v1(800,-1870) 827.5,-1870 857.5,-1900 ; 857.5,-1904.5 857.5,-2197.5 ; R62_5.2@900,-2200 860,-2200 857.5,-2197.5
PWMA_6: J3.76 R62_6.2 U12_6.7 U13_6.7 | length 2243.7
  Top Layer w15: U12_6.7@700,-1530 700,-1470 v1(710,-1460) ; U13_6.7@701,-1135 701,-1089 720,-1070 v1(800,-1070) 1060,-1070 1180,-1190 1180,-1630 1250,-1700 1650,-1700 J3.76@1700,-1750
  Bottom Layer w15: v1(710,-1460) 773.5,-1396.5 856.5,-1396.5 857.5,-1397.5 ; v1(800,-1070) 814,-1070 857.5,-1113.5 857.5,-1397.5 ; R62_6.2@900,-1400 860,-1400 857.5,-1397.5
PWMA_10: J3.4 R62_7.2 U12_7.7 U13_7.7 | length 7113.5
  Top Layer w15: U12_7.7@700,-730 700,-670 v1(710,-660) ; U13_7.7@701,-335 701,-289 720,-270 v1(800,-270) 1090,-270 1180,-360 1180,-840 1500,-1160 1500,-1460 1540,-1500 1790,-1500 1900,-1610 1900,-4200 2104.5,-4404.5 3345.5,-4404.5 J3.4@3400,-4350
  Bottom Layer w15: v1(710,-660) 773.5,-596.5 856.5,-596.5 857.5,-597.5 ; v1(800,-270) 814,-270 857.5,-313.5 857.5,-597.5 ; R62_7.2@900,-600 860,-600 857.5,-597.5
PWMB_1: J3.39 R63_1.2 U12_1.2 U13_1.2 | length 2676
  Top Layer w15: U12_1.2@700,-5724 v1(700,-5660) ; U13_1.2@700,-5354 700,-5390 740,-5430 v1(790,-5430)
  Bottom Layer w15: v1(700,-5660) 840,-5660 ; v1(790,-5430) 800,-5430 840,-5470 840,-5500 ; R63_1.2@900,-5492.6 847.4,-5492.6 840,-5500 ; J3.39@1700,-4550 1810,-4550 1840,-4580 1840,-5280 1460,-5660 840,-5660 ; 840,-5660 840,-5500